# Altium PCB 12_fit_switch.PcbDoc (part 2 of 6)
Units mm, origin at the board's own origin, x right, y up, seen from the top; angles counter-clockwise.
Board outline 240 x 160 mm, 2 copper layers (TopLayer, BottomLayer), stack 1.6 mm thick; 452 components, 319 nets, 1383 pads, 217 vias.
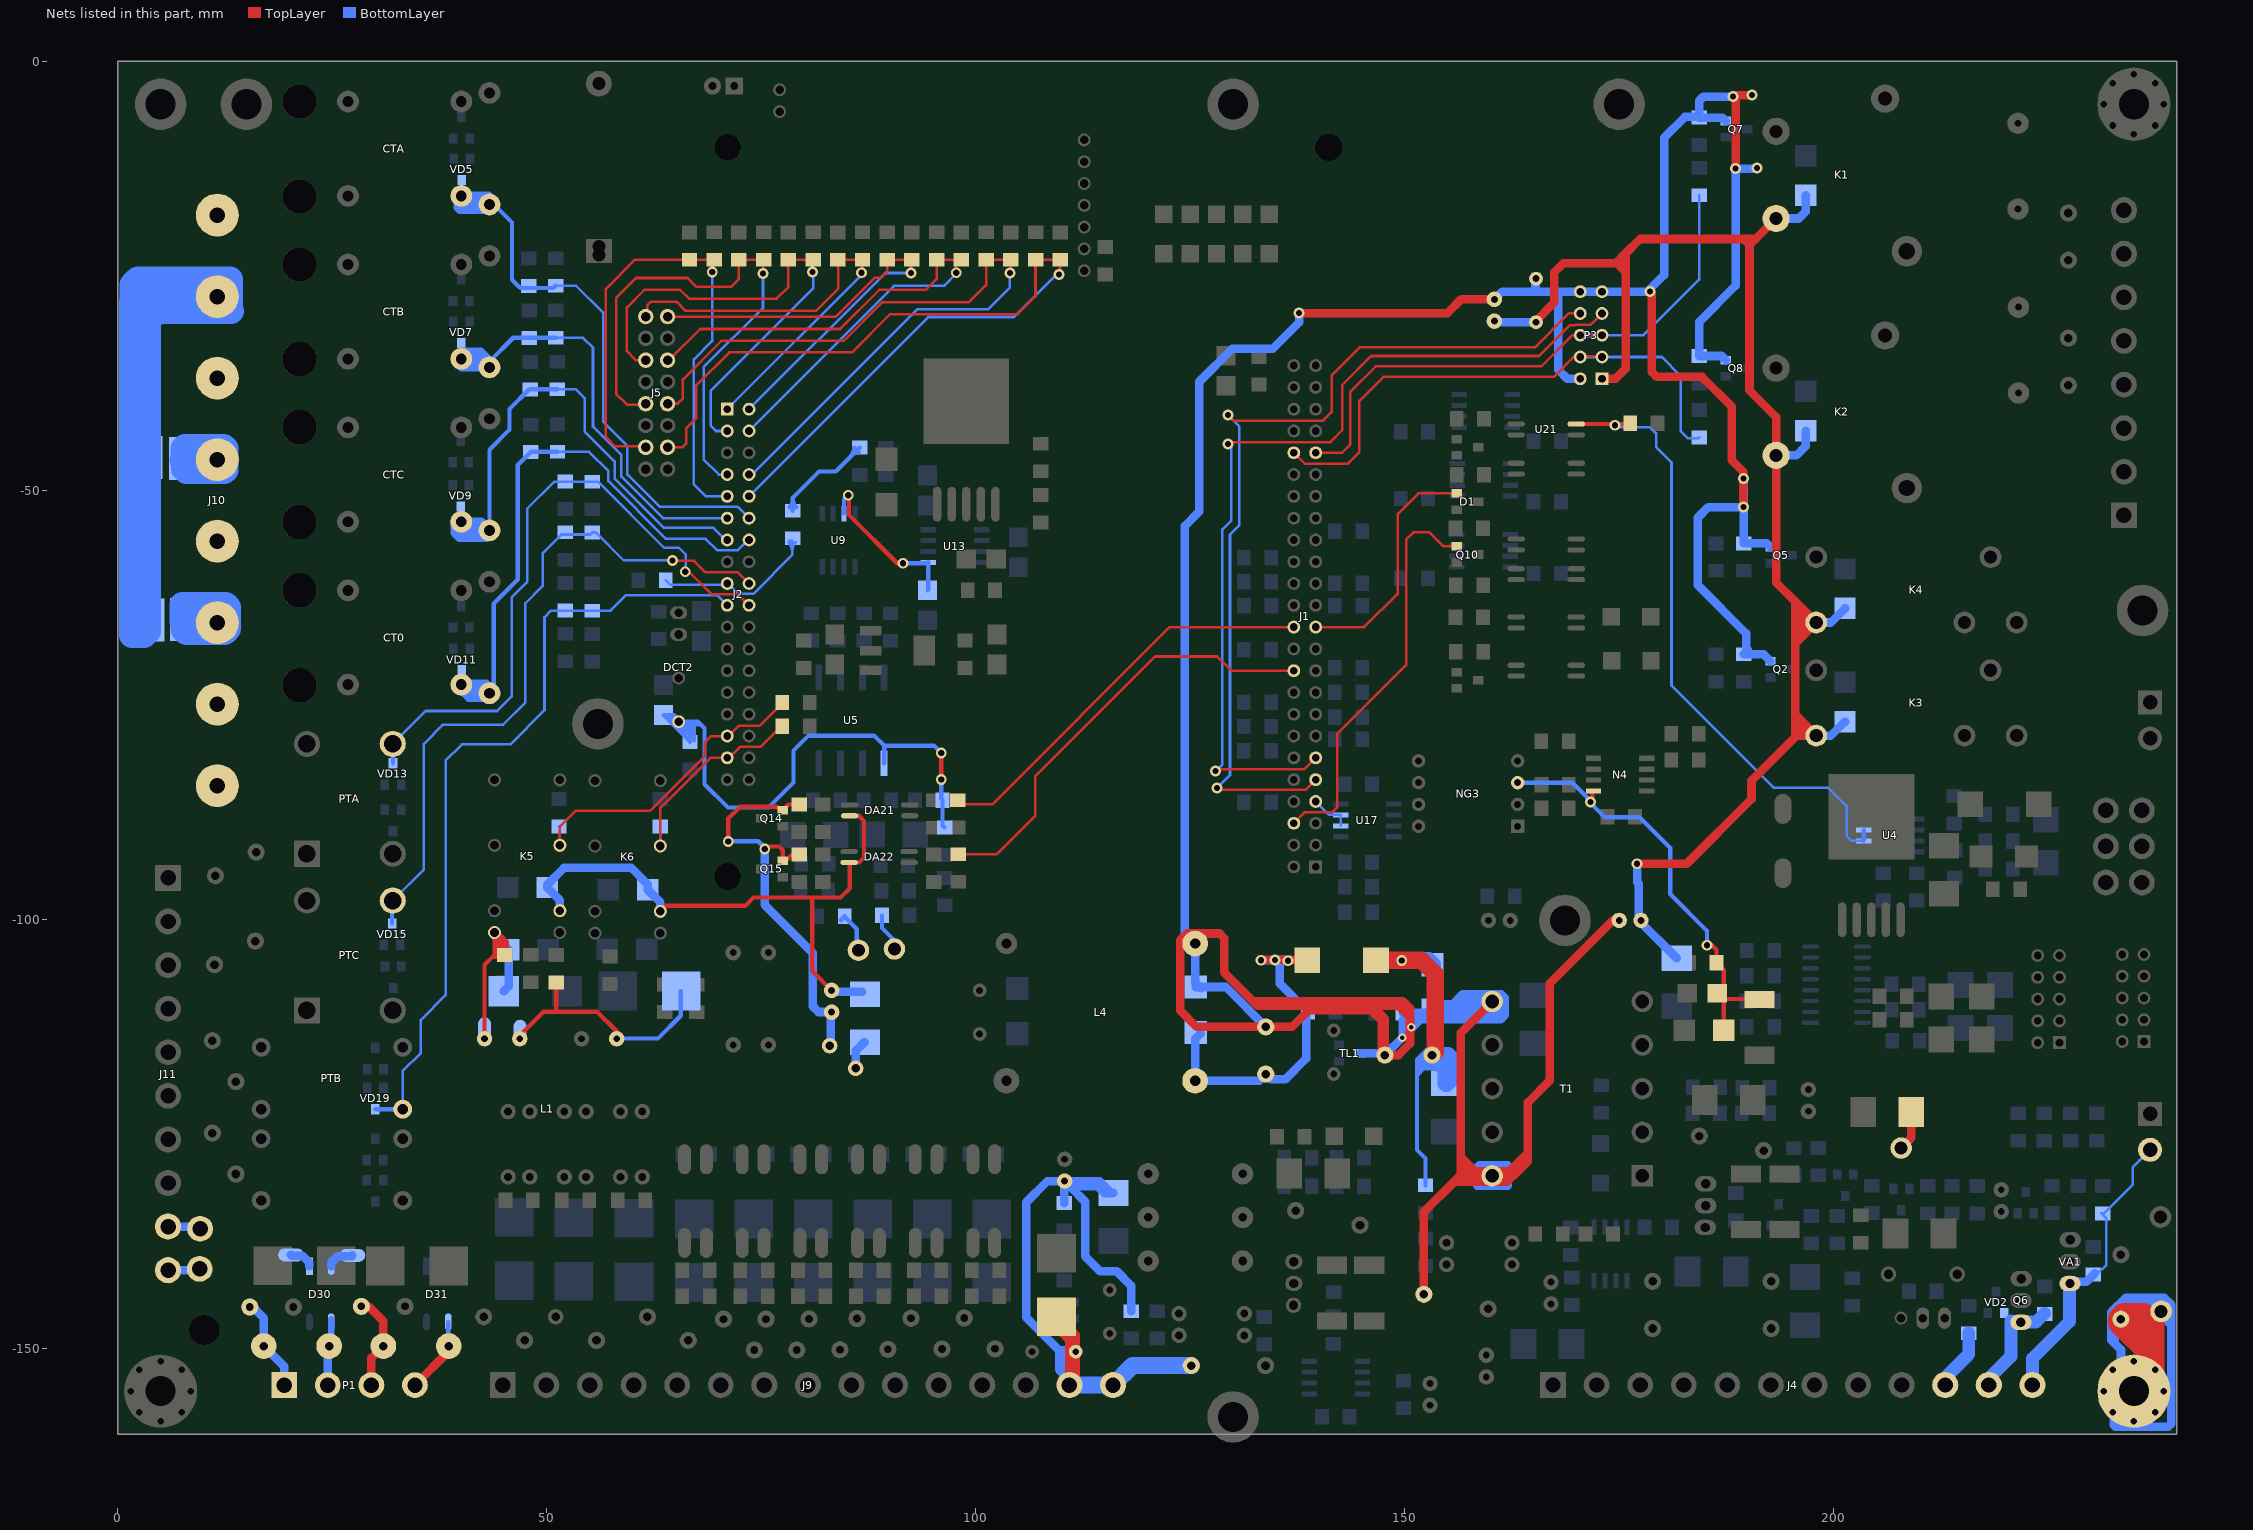
[diagram p2: the nets of this part, all layers, seen from the top]

## Part data
BT1: "Multicell Battery", LatestRevisionDate=17-Jul-2002, LatestRevisionNote="Re-released for DXP Platform.", PackageDescription="Battery; 2 Leads", PackageReference=BAT-2, Published=24-Mar-1999, Publisher="Altium Limited"
C1 C8 C9 C11 C16 C20 C23 C24 C26 C28 C29 C30 C31 C36 C37 C39 C40 C41 C42 C43 C44 C47 C56 C57 C65 C70 C74 C75 C76 C77 C80 C82 C84 C85 C98 C99 C100 C101 C102 C103 C104 C105 C106: library part CAP, "Capacitor"
C2 C3 C4 C6 C93 C97: library part "Cap Pol2", "Polarized Capacitor (Axial)", LatestRevisionDate=17-Jul-2002, LatestRevisionNote="Re-released for DXP Platform.", PackageDescription="Polarized Capacitor; 2 Leads", PackageReference=POLAR0.8, Published=8-Jun-2000, Publisher="Altium Limited"
C5 C7 C45 C58 C64 C66 C67 C68 C69 C71 C72 C73 C94: library part Cap, "Capacitor", LatestRevisionDate=17-Jul-2002, LatestRevisionNote="Re-released for DXP Platform.", PackageDescription="Radial Cap, Thru-Hole; 2 Leads; 0.3 in Pin Spacing", PackageReference=RAD-0.3, Published=8-Jun-2000, Publisher="Altium Limited"
C10 C14 C19 C34 C46 C50 C51 C53 C55 C63 C78 C79 C81 C87 C89 C90 C92: library part ELECTRO1, "Electrolytic Capacitor"
C12 C48 C49 C52 C95: library part ELECTRO, "Electrolytic Capacitor"
C13 C15 C22 C25 C32 C35 C38 C54 C59 C60 C61 C62 C83 C86 C88 C91: library part CAP
C17 C18 C21 C27 C33 C96: library part ELECTRO1
CN1 CN2: library part "Header 5X2", "Header, 5-Pin, Dual row", LatestRevisionDate=17-Jul-2002, LatestRevisionNote="Re-released for DXP Platform.", Publisher="Altium Limited"
COX2 JX1: "Connector"
CT0 CTA CTB CTC: library part TRANS3
D1 Q9 Q10 Q11 Q12 Q13: library part "SOT-23 2SC3356-T1B-A    S/YS档", "三极管", Package=SOT-23, SuppliersPartNumber=C9659, ComponentLink1Description=供应商, ComponentLink1URL=http://www.szlcsc.com/product/details_10189.html, Supplier=LC
D2 D4 D5 D6 D7 D8 D11 D12 D13 D14 D15 D16 D17 D18 D20 D21 D22 D23 D24 D25 D33 D34 D35 D36 D37 D38 D44 D46: library part DIODE, "Diode"
D3 VA1: library part "MOSFET P"
D9 D10 D39 D40 D41 D42 D43: library part TVS, LatestRevisionDate=17-Jul-2002, LatestRevisionNote="Re-released for DXP Platform.", PackageDescription="Diode, Thru-Hole; 2 Leads; 0.7 in Pin Spacing", PackageReference=DIODE-0.7, Published=8-Jun-2000, Publisher="Altium Limited"
D19 D26 D27 D28 D29 D32: library part "D Zener", "Zener Diode", LatestRevisionDate=17-Jul-2002, LatestRevisionNote="Re-released for DXP Platform.", PackageDescription="Diode, Thru-Hole; 2 Leads; 0.7 in Pin Spacing", PackageReference=DIODE-0.7, Published=8-Jun-2000, Publisher="Altium Limited"
D30 D31: library part Bridge2, "Diode Bridge", LatestRevisionDate=17-Jul-2002, LatestRevisionNote="Re-released for DXP Platform.", PackageDescription="Bridge Rectifier; 4 Terminals; Body 16.8 x 16.8 mm (typ); Pitch 10.67 mm", PackageReference=D-46_6A, Published=24-Mar-1999, Publisher="Altium Limited"
D45: library part DIDOE, "Diode"
DA1 DA2 DA3 DA4 DA5 DA6 DA7 DA8 DA9 DA10 DA11 DA12 DA13 DA14 DA16 DA20 DA21 DA22: library part TLP521-1
DCT2: library part 05S05-N1/N2
J1: "Header, 24-Pin, Dual row", LatestRevisionDate=17-Jul-2002, LatestRevisionNote="Re-released for DXP Platform.", Publisher="Altium Limited"
J2: "Header, 18-Pin, Dual row", LatestRevisionDate=17-Jul-2002, LatestRevisionNote="Re-released for DXP Platform.", Publisher="Altium Limited"
J3: library part "Header 3X2", "Header, 3-Pin, Dual row", LatestRevisionDate=17-Jul-2002, LatestRevisionNote="Re-released for DXP Platform.", Publisher="Altium Limited"
J4: library part "Header 12", "Header, 12-Pin", LatestRevisionDate=17-Jul-2002, LatestRevisionNote="Re-released for DXP Platform.", Publisher="Altium Limited"
J5: "Header, 8-Pin, Dual row", LatestRevisionDate=17-Jul-2002, LatestRevisionNote="Re-released for DXP Platform.", Publisher="Altium Limited"
J7: library part CON8, "Connector"
J9: library part "Header 15", "Header, 15-Pin", LatestRevisionDate=17-Jul-2002, LatestRevisionNote="Re-released for DXP Platform.", Publisher="Altium Limited"
J10: "Header, 8-Pin", LatestRevisionDate=17-Jul-2002, LatestRevisionNote="Re-released for DXP Platform.", Publisher="Altium Limited"
J11: library part "Header 10", "Header, 10-Pin", LatestRevisionDate=17-Jul-2002, LatestRevisionNote="Re-released for DXP Platform.", Publisher="Altium Limited"
K1 K2: library part RLY-STY1, "RELAY"
K3 K4: "Single-Pole Dual-Throw Relay", LatestRevisionDate=17-Jul-2002, LatestRevisionNote="Re-released for DXP Platform.", PackageReference=MODULE5B, Published=24-Mar-1999, Publisher="Altium Limited"
L1 L4: library part "Trans Cupl", "Transformer (Coupled Inductor Model)", LatestRevisionDate=17-Jul-2002, LatestRevisionNote="Re-released for DXP Platform.", PackageDescription="Transformer; 4 Leads", PackageReference=TRF_4, Published=8-Jun-2000, Publisher="Altium Limited"
L2 L5: library part INDUCTOR2
LED1: library part LED
N4 U17: library part TL082
P1: library part "Header 4", "Header, 4-Pin", LatestRevisionDate=17-Jul-2002, LatestRevisionNote="Re-released for DXP Platform.", Publisher="Altium Limited"
P3: "Header, 5-Pin, Dual row", LatestRevisionDate=17-Jul-2002, LatestRevisionNote="Re-released for DXP Platform.", Publisher="Altium Limited"
PT0 PTA PTB PTC: library part V-SENOR
Q1 Q3: library part MOSFET-P1
Q2 Q5 Q7 Q8 Q14 Q15: library part "SOT-23 2SC3356-T1B-A    S/YS档", "NPN", Package=SOT-23, SuppliersPartNumber=C9659, ComponentLink1Description=供应商, ComponentLink1URL=http://www.szlcsc.com/product/details_10189.html, Supplier=LC
Q4: library part T-NPN-LMUN2232LT1G-SOT23, "Vceo=50V,Vcbo=50V,Ic=100mA,Hfe=15@Ic=5mA,R1=R2=4.7k", MFR=ROHM, Geometry.Height=1.2mm, MPN=LMUN2232LT1G, PCB DECAL=SOT23, PCB Footprint=SOT-23, SN=41100010, TYPE=NPN数字三
Q6: "N-Channel Power MOSFET", ComponentLink1Description="Manufacturer Link", ComponentLink1URL=http://www.irf.com/, DatasheetVersion=PD-9.814, LatestRevisionDate=17-Jul-2002, LatestRevisionNote="Re-released for DXP Platform.", Note="Pin 2 is electrically connected to pin 4.", PackageDescription="TO, Thru-Hole, Vertical, Heatsink Mounted; 3 In-Line Leads; Pitch 2.54 mm", PackageReference=TO-220AB, PackageVersion=Feb-1997, Published=8-Jun-2000, Publisher="Altium Limited"
R1 R2 R3 R4 R5 R6 R7 R8 R9 R10 R11 R13 R14 R15 R16 R17 R18 R20 R21 R22 R23 R24 R25 R26 R27 R28 R29 R31 R33 R34 R35 R43 R44 R45 R46 R47 R48 R49 R53 R60 R61 R62 R63 R65 R66 R67 R68 R69 R70 R71 R72 R74 R75 R76 R79 R80 R81 R82 R83 R85 R86 R87 R88 R89 R90 R93 R94 R95 R96 R101 R102 R103 R107 R110 R113 R114 R115 R116 R117 R118 R119 R120 R124 R126 R127 R128 R129 R130 R131 R133 R134 R136 R137 R138 R139 R139' R140 R142 R145 R148 R151 R154 R157 R159 R160 R163 R164 R166 R167 R169 R172 R173 R174 R175 R176 R177 R178 R179 R180 R181 R182 R183: library part RES2
R12 R19 R30 R32 R36 R37 R38 R39 R40 R52 R54 R55 R56 R57 R58 R59 R64 R73 R78 R84 R97 R98 R99 R100 R104 R105 R106: library part Res1, "Resistor", LatestRevisionDate=17-Jul-2002, LatestRevisionNote="Re-released for DXP Platform.", PackageDescription="Axial Device, Thru-Hole; 2 Leads; 0.3 in Pin Spacing", PackageReference=AXIAL-0.3, Published=8-Jun-2000, Publisher="Altium Limited"
R41 R42 R50 R51 R77 R108 R109 R111 R112 R141 R143 R144 R146 R147 R149 R150 R152 R153 R155 R156 R158 R161 R162 R165 R168 R170 R171: library part RES
RV1 RV2 RV3: library part VARISTOR
T1: library part DC24S15
T2: library part "Trans3 Ideal", "Three-winding Transformer (Ideal)", LatestRevisionDate=17-Jul-2002, LatestRevisionNote="Re-released for DXP Platform.", PackageDescription="Transformer; 6 Leads", PackageReference=TRF_6, Published=25-Jan-2001, Publisher="Altium Limited"
TX: library part "Header 2", "Header, 2-Pin", LatestRevisionDate=17-Jul-2002, LatestRevisionNote="Re-released for DXP Platform.", Publisher="Altium Limited"
U2: library part LM1117IMPX-3.3, "800mA Low-Dropout Linear Regulator, 4-pin SOT-223", Manufacturer="National Semiconductor", PackageTopMarking=XYTT*N05B, PowerWise=N, Code_IPC=SOT223-4, Code_JEDEC=TO-261-AA, ComponentLink1Description="LM1117 Datasheet", ComponentLink1URL=http://www.national.com/ds/LM/LM1117.pdf, ComponentLink2Description="LM1117 Web Page", ComponentLink2URL=http://www.national.com/pf/LM/LM1117.html, ComponentLink3Description="MP04A Package Page", ComponentLink3URL=http://www.national.com/packaging/folders/mp04a.html, CompType="LDO IC", DatasheetVersion=Apr-2006, PackageDescription="Molded SOT-223, 6.50 x 3.56 x 1.6mm Body, 4 Lead, 2.3mm Pitch", PackageReference=MP04A, PackageVersion="revB, Apr-2003", PartNumber=LM1117IMPX-3.3, PinCount=4, Published=1-Mar-2010, Publisher="Altium Limited", RoHS=N
U3: library part LM2596
U4: "Differential Bus Transceiver", Code_IPC=SOIC127P600-8, ComponentLink1Description="Manufacturer Link", ComponentLink1URL=http://www.ti.com/, ComponentLink2Description=Datasheet, ComponentLink2URL=http://www-s.ti.com/sc/ds/sn75176a.pdf, DatasheetVersion=Aug-1989, LatestRevisionDate=13-Apr-2006, LatestRevisionNote="IPC-7351 Footprint Added.", Note="Receiver Hysteresis of 50mV Typical", PackageDescription="8-Pin Small Outline Integrated Circuit 1.27 mm Pitch", PackageReference=D008, PackageVersion=Jan-1998, Published=15-May-2002, Publisher="Altium Limited"
U5: "single power isolator amp fixed gain is 8"
U7 U8: "隔离器", Package=SOIC-8_150mil, SuppliersPartNumber=C9669, ComponentLink1Description=供应商, ComponentLink1URL=http://www.szlcsc.com/product/details_10199.html, Supplier=LC
U11: library part MAX202
U12: library part ZENER3_1, "Zener Diode"
U13: library part TC7660EOA, "Charge Pump DC-to-DC Voltage Converter, 8-Pin SOIC 150mil, Industrial Temperature", Code_IPC=SOIC127P600-8, ComponentLink1Description="Manufacturer Link", ComponentLink1URL=http://www.microchip.com, ComponentLink2Description=Datasheet, ComponentLink2URL=http://ww1.microchip.com/downloads/en/DeviceDoc/21465b.pdf, ComponentLink3Description="Packaging Specification", ComponentLink3URL=http://ww1.microchip.com/downloads/en/PackagingSpec/00049AW.pdf, DatasheetVersion="revB, Nov-2002", PackageDescription="8-Lead Plastic Small Outline (OA) - Narrow, 3.90mm Body [SOIC]", PackageReference=SOIC-OA8, PackageVersion="revAW, Oct-2008", Published=29-Jan-2009, Publisher="Altium Limited"
U20: library part COMPONENT_3
U21: library part TLP521
VD1 VD2 VD5 VD6 VD7 VD8 VD9 VD10 VD11 VD12 VD13 VD14 VD15 VD16 VD19 VD20 VD21 VD22 VD28: library part ZENER2
VD3 VD17: library part ZENER2, "双向TVS"
VD4 VD18 VD23 VD24 VD25 VD26 VD27: library part ZENER2, "Zener Diode"

## Free pads (board coordinates)
  round 1.524 hole 0.762: 0(1.5,-155) 0(231.5,-155) 0(231.5,-5) 24(1.5,-155) 24(231.5,-155) 24(231.5,-5) 25(2.525,-157.475) 25(232.525,-157.475) 25(232.525,-7.475) 26(5,-158.5) 26(235,-158.5) 26(235,-8.5) 27(7.475,-157.475) 27(237.475,-157.475) 27(237.475,-7.475) 28(8.5,-155) 28(238.5,-155) 28(238.5,-5) 29(7.475,-152.525) 29(237.475,-152.525) 29(237.475,-2.525) 30(5,-151.5) 30(235,-151.5) 30(235,-1.5) 31(2.525,-152.525) 31(232.525,-152.525) 31(232.525,-2.525) 34(55.976,-77.212)
  rect 2x5 smd far side: 0(4.216,-46.177) 0(4.47,-65.1) 0(6.985,-46.279) 0(7.065,-65.061)
  round 1.8 hole 1: 0(82.979,-114.732) 0(86.004,-117.373)
  round 3.2 hole 3.2: 0(141.124,-10.005)
  round 2.5 hole 1.5: 0(207.864,-126.664)
  oval 3x1.524 smd far side: 35(20.193,-139.116) 36(27.356,-139.167)
  oval 1.524x3 smd far side: 37(42.748,-112.903)
  oval 1.524x2.5 smd far side: 38(46.888,-112.954)
  round 3.1 hole 3.1: H0(71.124,-95.005) H1(71.124,-10.005)
  round 8.5 hole 3.5: H3(5,-155) H3(235,-5) HGROUND(235,-155)
  round 6 hole 3.5: H3(5,-5) PAD2(15,-5) PAD2(55.976,-77.212) PAD2(130,-158) PAD2(130,-5) PAD2(168.681,-100.127) PAD2(175,-5) PAD2(236,-64)
  round 3.5 hole 3.5: PAD2(10.084,-147.879)

## Via types
v1: diameter 1.27, hole 0.711, TopLayer to BottomLayer, 198 vias
v2: diameter 1, hole 0.5, TopLayer to BottomLayer, 11 vias
v3: diameter 1.2, hole 0.8, TopLayer to BottomLayer, 7 vias
v4: diameter 1.5, hole 0.8, TopLayer to BottomLayer, 1 vias

## Nets (pads, with @x,y where several pads share a name; then routed paths per layer and width w, separated by ;. In a path a pad name is that pad's centre, name@x,y a point inside that pad or via, vN(x,y) a via of type N, cw(c..) or ccw(c..) an arc to the next point about the centre after c; other vN are vias at no path point)
6GND: C8.2 C14.2 C21.2 C34.2 C48.2 C51.2 C52.2 C56.2 L4.1 P3.2 P3.9 P3.10 Q2.2 Q5.2 Q7.2 Q8.2 R86.1 R87.1 R89.1 R90.1 R138.1 T1.6 T1.10 TL1.3 | length 591.6
  TopLayer w1: v1(137.693,-29.337) 154.991,-29.337 156.591,-27.737 C34.2@160.452,-27.737 ; C56.2@152.231,-143.701 152.231,-134.128 155.778,-130.581 ; T1.6@160.198,-109.576 156.54,-113.234 156.54,-127.711 ; C14.2@175.006,-100.127 174.244,-100.127 166.903,-107.467 166.903,-118.796 164.363,-121.336 164.363,-127.203 ; v1(178.613,-26.822) 178.816,-27.026 178.816,-36.22 179.375,-36.779 184.658,-36.779 188.138,-40.259 188.138,-46.507 189.484,-47.854 v1(189.484,-48.641) v1(189.484,-51.943) ; v1(188.57,-12.497) 188.57,-4.394 v1(188.29,-4.115) 188.363,-4.115 188.541,-3.937 v1(190.475,-3.937) ; 132.321,-109.537 132.867,-110.084 146.202,-110.084 ; 132.321,-109.537 128.956,-106.172 128.956,-102.184 128.422,-101.651 124.638,-101.651 123.85,-102.438 123.85,-110.642 125.742,-112.534 C21.2@133.807,-112.534 136.869,-112.534 138.836,-110.566 146.05,-110.566 147.345,-111.862 147.345,-115.482 C51.2@147.687,-115.824 ; 132.321,-109.537 149.796,-109.537 150.622,-110.363 150.622,-111.43 ; 146.202,-110.084 149.276,-110.084 150.622,-111.43 ; 146.202,-110.084 147.687,-111.569 C51.2@147.687,-115.824 ; C51.2@147.687,-115.824 149.276,-115.824 150.622,-114.478 150.622,-111.43 ; 155.778,-130.581 155.804,-130.607 161.9,-130.607 162.611,-129.896 ; 155.778,-130.581 156.464,-129.896 ; 156.464,-129.896 156.54,-129.819 156.54,-129.362 ; 156.464,-129.896 158.725,-129.896 ; 156.54,-129.362 157.607,-129.362 ; 156.54,-129.362 156.54,-127.711 ; 156.54,-127.711 157.899,-129.07 ; 157.607,-129.362 157.899,-129.07 ; 157.607,-129.362 158.191,-129.362 ; 157.899,-129.07 158.191,-129.362 ; 158.191,-129.362 158.725,-129.896 ; 158.191,-129.362 162.204,-129.362 164.363,-127.203 ; 158.725,-129.896 T1.10@160.198,-129.896 162.611,-129.896 ; 162.611,-129.896 162.662,-129.896 164.363,-128.194 164.363,-127.203
  BottomLayer w1: C48.2@125.654,-107.891 C48.2@126.086,-107.891 ; C48.2@126.213,-108.018 C48.2@126.086,-107.891 ; C21.2@133.807,-112.534 129.164,-107.891 C48.2@126.086,-107.891 ; v1(137.693,-29.337) 137.693,-30.429 134.645,-33.477 129.921,-33.477 126.06,-37.338 126.06,-52.476 124.384,-54.153 124.384,-101.625 L4.1@125.579,-102.82 125.579,-107.385 C48.2@126.086,-107.891 ; TL1.3@144.836,-115.595 147.459,-115.595 C51.2@147.687,-115.824 v2@149.802,-113.709 ; R90.1@149.758,-110.871 C52.2@152.64,-110.871 ; R90.1@150.241,-111.303 149.802,-111.741 v2@149.802,-113.709 ; R90.1@150.495,-111.557 150.78,-111.842 ; 150.749,-111.658 150.78,-111.658 ; 151.587,-111.227 151.536,-111.227 151.409,-111.1 151.181,-111.1 150.78,-111.5 150.78,-111.658 ; C52.2@151.968,-111.557 152.019,-111.557 152.095,-111.633 153.568,-111.633 153.67,-111.531 161.112,-111.531 161.112,-110.947 ; C52.2@153.289,-110.871 153.365,-110.947 161.112,-110.947 ; 154.915,-110.363 155.016,-110.261 156.388,-110.261 ; T1.10@160.198,-129.896 160.782,-129.896 162.001,-128.676 ; C34.2@160.68,-27.508 161.349,-26.84 165.252,-26.84 ; C8.2@165.303,-25.324 165.252,-25.375 165.252,-26.84 ; P3.2@170.46,-37.091 P3.2@170.46,-37 168.953,-37 167.919,-35.966 167.919,-26.84 ; Q8.2@187.421,-34.813 186.949,-34.341 R87.1@184.328,-34.341 184.328,-30.378 188.57,-26.137 188.57,-12.624 188.671,-12.522 188.595,-12.522 v1(188.57,-12.497) 190.989,-12.497 v1(191.059,-12.427) ; Q7.2@187.421,-6.949 187.025,-6.553 R86.1@184.328,-6.553 ; v1(188.29,-4.115) 184.81,-4.115 184.328,-4.597 R86.1@184.328,-6.553 ; v1@189.459,-51.968 185.369,-51.968 184.15,-53.188 184.15,-61.036 189.789,-66.675 189.789,-68.86 R138.1@189.535,-69.114 191.826,-69.114 Q2.2@192.628,-69.916 ; v1@189.535,-48.463 R89.1@189.535,-56.185 192.207,-56.185 Q5.2@192.628,-56.606 ; v2@149.802,-113.709 v2@150.78,-112.731 ; v2@150.78,-112.731 150.78,-111.842 ; v2@150.78,-112.731 151.853,-111.658 ; 150.78,-111.842 150.78,-111.658 ; 150.78,-111.658 151.853,-111.658 ; 151.853,-111.658 161.188,-111.658 161.646,-111.201 161.646,-109.144 161.239,-108.737 T1.6@161.036,-108.737 ; 151.853,-111.658 C52.2@152.64,-110.871 ; C52.2@152.64,-110.871 152.911,-110.6 C52.2@153.238,-110.6 ; C52.2@152.64,-110.871 152.967,-110.871 C52.2@153.238,-110.6 ; C52.2@153.238,-110.6 156.049,-110.6 156.388,-110.261 ; C52.2@153.238,-110.6 153.391,-110.448 153.391,-109.931 155.575,-109.931 156.769,-108.737 T1.6@161.036,-108.737 ; 156.388,-110.261 157.226,-109.423 160.046,-109.423 T1.6@160.198,-109.576 T1.6@160.884,-110.261 ; 156.388,-110.261 T1.6@160.884,-110.261 ; T1.6@160.884,-110.261 161.163,-110.261 161.214,-110.211 161.214,-108.915 T1.6@161.036,-108.737 ; T1.6@160.884,-110.261 161.112,-110.489 ; 161.112,-110.947 161.112,-110.489 ; 161.112,-110.947 161.163,-110.947 161.163,-110.54 161.112,-110.489 ; 162.001,-128.676 162.001,-131.039 158.471,-131.039 158.471,-128.981 158.521,-128.93 158.521,-128.829 158.674,-128.676 162.001,-128.676 ; 165.252,-26.84 167.919,-26.84 ; 167.919,-26.84 P3.10@170.46,-26.84 P3.9@173,-26.84 178.316,-26.84 180.238,-24.917 180.238,-8.915 182.677,-6.477 184.251,-6.477 R86.1@184.328,-6.553
  other v2: 149.719,-113.792 150.78,-112.573
6V: C21.1 C48.1 L2.2 L4.3 R62.2 | length 42.8
  TopLayer w1: v1(133.274,-104.775) 133.325,-104.724 v1(134.874,-104.724) 136.627,-104.724 v1@136.703,-104.648 ; v1(136.423,-104.826) 136.474,-104.775 L2.2@138.646,-104.775
  BottomLayer w1: C48.1@126.213,-113.318 125.579,-113.951 L4.3@125.579,-118.82 133.021,-118.82 C21.1@133.807,-118.034 134.417,-118.643 136.093,-118.643 138.506,-116.23 138.506,-111.024 R62.2@138.735,-110.795 135.458,-107.518 v1@135.458,-104.724 ; v1(133.274,-104.775) 135.407,-104.775 v1@135.458,-104.724 ; v1(134.874,-104.724) v1@135.458,-104.724 ; v1(136.423,-104.826) 136.322,-104.724 v1@135.458,-104.724
12V: C8.1 C14.1 C34.1 D14.2 D19.2 D26.2 D27.2 D29.2 K1.3 K2.3 K3.4 K4.4 P3.1 | length 195
  TopLayer w1: C8.1@165.303,-30.251 167.411,-28.143 167.411,-24.613 168.504,-23.52 174.777,-23.52 ; P3.1@173,-37 174.582,-37 175.768,-35.814 175.768,-24.511 ; v1(177.089,-93.523) 182.88,-93.523 190.424,-85.979 190.424,-83.845 195.605,-78.664 195.605,-78.588 ; K1.3@193.294,-18.313 190.906,-20.701 ; 196.698,-78.08 196.266,-77.648 195.529,-77.648 ; 174.777,-23.52 174.701,-23.444 175.768,-22.377 ; 174.777,-23.52 175.768,-24.511 ; 175.768,-24.511 175.768,-22.377 ; 175.768,-22.377 177.444,-20.701 189.484,-20.701 ; 189.484,-20.701 190.195,-21.412 ; 189.484,-20.701 190.906,-20.701 ; 190.195,-21.412 190.906,-20.701 ; 190.195,-21.412 190.195,-38.354 193.294,-41.453 K2.3@193.294,-45.923 193.294,-60.731 195.58,-63.017 ; 195.529,-77.648 195.529,-78.511 195.605,-78.588 ; 195.529,-77.648 195.529,-76.149 ; 195.529,-76.149 K3.4@197.968,-78.588 195.605,-78.588 ; 195.529,-76.149 195.529,-67.843 ; 195.529,-67.843 196.291,-67.081 ; 195.529,-67.843 195.529,-63.068 ; 195.529,-63.068 195.58,-63.017 ; 195.529,-63.068 195.631,-63.068 ; 195.58,-63.017 195.631,-63.068 ; 195.631,-63.068 196.723,-64.16 ; 196.291,-67.081 K4.4@197.968,-65.405 196.723,-64.16 ; 196.291,-67.081 196.291,-64.592 196.723,-64.16